# Altium PCB WhiteRHINO_0v1.PcbDoc (part 4 of 10)
Units mm, origin at the board's own origin, x right, y up, seen from the top; angles counter-clockwise.
Board outline 120.2 x 121.5 mm, 12 copper layers (L1_Top Layer, L2_GND, L3_Critical, L4_Critical, L5_GND, L6_Power, L7_Non-Critical, L8_Power, L9_Critical, L10_Critical, L11_GND, L12_Bottom Layer), stack 1.414 mm thick; 837 components, 556 nets, 3237 pads, 1790 vias.
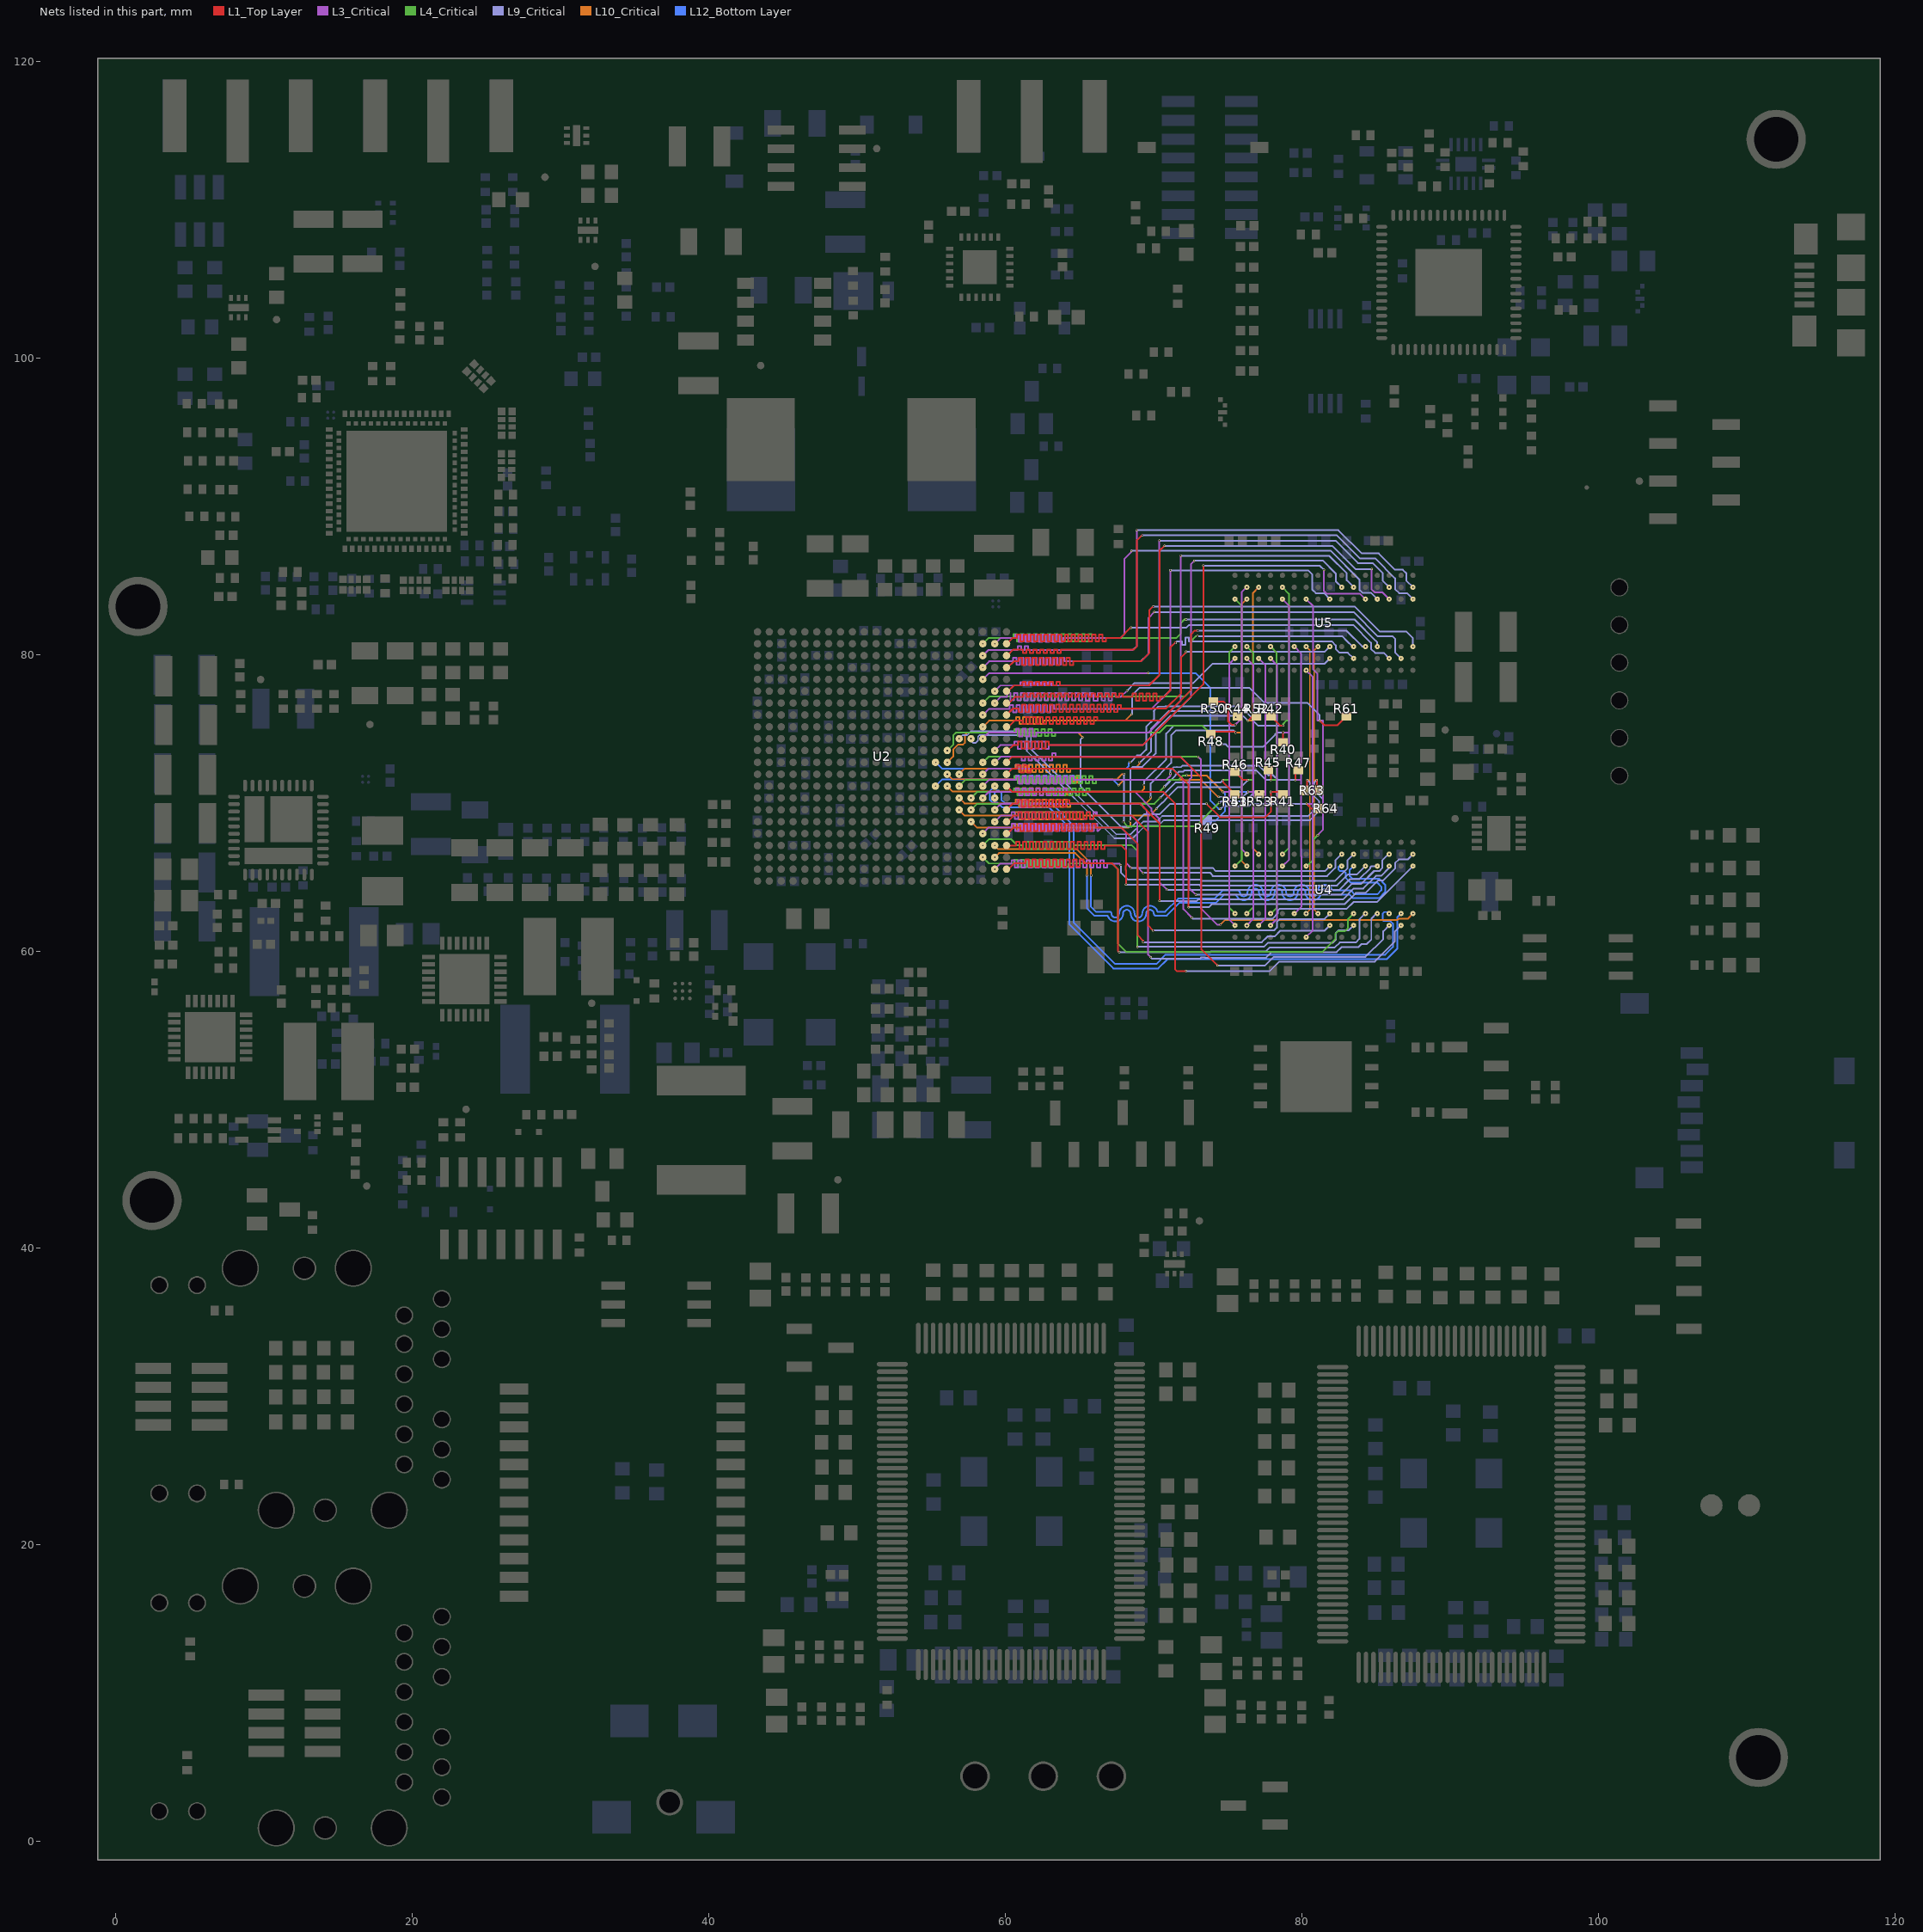
[diagram p14: the nets of this part, all layers, seen from the top]

## Via types
v1: diameter 0.15, hole 0.1, L1_Top Layer to L12_Bottom Layer, tented both sides, 705 vias
v2: diameter 0.3, hole 0.2, L1_Top Layer to L12_Bottom Layer, tented both sides, 589 vias
v3: diameter 0.3, hole 0.2, L1_Top Layer to L12_Bottom Layer, 145 vias
v4: diameter 0.55, hole 0.4, L1_Top Layer to L12_Bottom Layer, tented both sides, 89 vias
v5: diameter 0.15, hole 0.1, L1_Top Layer to L12_Bottom Layer, 73 vias
v6: diameter 0.4, hole 0.2, L1_Top Layer to L12_Bottom Layer, tented both sides, 61 vias
v7: diameter 0.66, hole 0.33, L1_Top Layer to L12_Bottom Layer, tented top, 41 vias
v8: diameter 0.3, hole 0.2, L1_Top Layer to L12_Bottom Layer, tented bottom, 27 vias
v9: diameter 0.55, hole 0.4, L1_Top Layer to L12_Bottom Layer, 20 vias
v10: diameter 0.5, hole 0.2, L1_Top Layer to L12_Bottom Layer, tented both sides, 16 vias
v11: diameter 0.5, hole 0.25, L1_Top Layer to L12_Bottom Layer, 13 vias
v12: diameter 0.4, hole 0.25, L1_Top Layer to L12_Bottom Layer, 9 vias
v13: diameter 0.5, hole 0.4, L1_Top Layer to L12_Bottom Layer, tented both sides, 1 vias
v14: diameter 0.55, hole 0.4, L1_Top Layer to L12_Bottom Layer, tented bottom, 1 vias

## Nets (pads, with @x,y where several pads share a name; then routed paths per layer and width w, separated by ;. In a path a pad name is that pad's centre, name@x,y a point inside that pad or via, vN(x,y) a via of type N, cw(c..) or ccw(c..) an arc to the next point about the centre after c; other vN are vias at no path point) (continued)
DDR3_A4: R53.1 U2.K6 U4.P8 U5.P8 | length 49.2
  L3_Critical w0.115: v1(77.104,79.725) 77.548,79.281 77.548,70.722 ; v1(77.105,61.72) 77.548,62.163 77.548,70.722 ; v1(77.125,70.725) 77.545,70.725 77.548,70.722
  L4_Critical w0.115: v1(67.965,68.7) 68.248,68.418 72.868,68.418 v1(74.45,70)
  L10_Critical w0.115: v1(56.104,71.914) 56.437,71.582 60.96,71.582 60.96,71.347 61.19,71.347 61.19,71.582 61.42,71.582 61.42,71.347 61.65,71.347 61.65,71.582 61.88,71.582 61.88,71.347 62.11,71.347 62.11,71.582 62.34,71.582 62.34,71.347 62.57,71.347 62.57,71.582 62.8,71.582 62.8,71.347 63.03,71.347 63.03,71.582 63.26,71.582 63.26,71.347 63.49,71.347 63.49,71.582 63.72,71.582 63.72,71.347 63.95,71.347 63.95,71.582 64.18,71.582 64.18,71.347 64.41,71.347 64.41,71.582 64.64,71.582 64.64,71.347 64.87,71.347 64.87,71.816 65.1,71.816 65.1,71.582 67.6,71.582 67.6,71.625 67.9,71.925 v1(68.025,71.925)
  L9_Critical w0.115: v1(67.965,68.7) 68.025,68.76 v1(68.025,71.925) ; v1(74.45,70) 74.485,70 74.563,70.078 76.198,70.078 76.845,70.725 v1(77.125,70.725)
DDR3_A5: R52.1 U2.K5 U4.P2 U5.P2 | length 49.7
  L1_Top Layer w0.115: v1(76.375,75.525) 76.675,75.825 R52.1@76.8,75.825
  L10_Critical w0.115: v1(56.904,71.914) 57.29,72.3 60.705,72.3 60.705,72.55 60.935,72.55 60.935,72.05 61.165,72.05 61.165,72.55 61.395,72.55 61.395,72.05 61.625,72.05 61.625,72.55 61.855,72.55 61.855,72.05 62.085,72.05 62.085,72.55 62.315,72.55 62.315,72.05 62.545,72.05 62.545,72.55 62.775,72.55 62.775,72.05 63.005,72.05 63.005,72.55 63.235,72.55 63.235,72.05 63.465,72.05 63.465,72.55 63.695,72.55 63.695,72.05 63.925,72.05 63.925,72.55 64.155,72.55 64.155,72.05 64.385,72.05 64.385,72.3 68.75,72.3 69.076,72.626 v1(69.076,72.75) ; v1(76.375,75.525) 76.725,75.525 ; v1(77.104,66.525) 76.725,66.904 76.725,75.525 ; v1(77.104,84.525) 76.725,84.146 76.725,75.525
  L9_Critical w0.115: v1(69.076,72.75) 69.141,72.75 69.838,73.447 69.838,74.976 71.034,76.173 75.728,76.173 v1(76.375,75.525)
DDR3_A6: R51.1 U2.J7 U4.R8 U5.R8 | length 50.1
  L3_Critical w0.115: v1(76.304,79.725) 76.736,79.293 76.736,70.725 ; v1(76.309,61.718) 76.309,61.723 76.736,62.15 76.736,70.725 ; v1(76.375,70.725) 76.736,70.725
  L10_Critical w0.115: v1(67.65,71.175) 68,71.525 72.095,71.525 72.112,71.508 72.388,71.508 72.405,71.525 73.225,71.525 74.358,70.393 v1(74.408,70.393)
  L9_Critical w0.115: v1(74.408,70.393) 76.043,70.393 v1(76.375,70.725)
  L12_Bottom Layer w0.115: v1(55.304,71.114) 55.765,71.575 60.73,71.575 60.73,71.818 60.96,71.818 60.96,71.332 61.19,71.332 61.19,71.818 61.42,71.818 61.42,71.332 61.65,71.332 61.65,71.818 61.88,71.818 61.88,71.332 62.11,71.332 62.11,71.818 62.34,71.818 62.34,71.332 62.57,71.332 62.57,71.818 62.8,71.818 62.8,71.332 63.03,71.332 63.03,71.818 63.26,71.818 63.26,71.332 63.49,71.332 63.49,71.818 63.72,71.818 63.72,71.332 63.95,71.332 63.95,71.818 64.18,71.818 64.18,71.332 64.41,71.332 64.41,71.818 64.64,71.818 64.64,71.575 67.25,71.575 v1(67.65,71.175) ; R51.1@75.5,70.575 75.65,70.725 v1(76.375,70.725)
DDR3_A7: R50.1 U2.J6 U4.R2 U5.R2 | length 51.7
  L1_Top Layer w0.115: R50.1@74.2,76.825 74.725,76.825 75.033,76.518 75.033,75.503 75.286,75.25 v1(75.525,75.25) ; U4.R2@76.304,66.525 v1(76.305,66.534)
  L3_Critical w0.115: v1(75.525,75.25) 75.8,75.525 75.957,75.525 ; v1(76.305,66.534) 75.957,66.881 75.957,75.525 ; v1(76.304,84.525) 75.957,84.178 75.957,75.525
  L10_Critical w0.115: v1(56.104,71.114) 56.468,70.75 60.723,70.75 60.723,70.991 60.953,70.991 60.953,70.519 61.183,70.519 61.183,70.991 61.413,70.991 61.413,70.519 61.643,70.519 61.643,70.991 61.873,70.991 61.873,70.519 62.103,70.519 62.103,70.991 62.333,70.991 62.333,70.519 62.563,70.519 62.563,70.991 62.793,70.991 62.793,70.519 63.023,70.519 63.023,70.991 63.253,70.991 63.253,70.519 63.483,70.519 63.483,70.991 63.713,70.991 63.713,70.519 63.943,70.519 63.943,70.991 64.173,70.991 64.173,70.519 64.403,70.519 64.403,70.75 69.2,70.75 69.378,70.928 v1(69.378,71.193)
  L9_Critical w0.115: v1(69.378,71.193) 69.378,71.438 70.865,72.925 70.865,74.665 71.393,75.193 75.468,75.193 v1(75.525,75.25)
DDR3_A8: R49.1 U2.J5 U4.T8 U5.T8 | length 52
  L1_Top Layer w0.115: U4.T8@75.504,61.725 v1(75.504,61.731)
  L3_Critical w0.115: v1(74.7,70.725) 75.123,70.725 ; v1(75.504,61.731) 75.123,62.112 75.123,70.725 ; v1(75.504,79.725) 75.485,79.725 75.123,79.363 75.123,70.725
  L4_Critical w0.115: v1(56.904,71.114) 57.34,71.55 60.615,71.55 60.615,71.797 60.845,71.797 60.845,71.303 61.075,71.303 61.075,71.797 61.305,71.797 61.305,71.303 61.535,71.303 61.535,71.797 61.765,71.797 61.765,71.303 61.995,71.303 61.995,71.797 62.225,71.797 62.225,71.303 62.455,71.303 62.455,71.797 62.685,71.797 62.685,71.303 62.915,71.303 62.915,71.797 63.145,71.797 63.145,71.303 63.375,71.303 63.375,71.797 63.605,71.797 63.605,71.303 63.835,71.303 63.835,71.797 64.065,71.797 64.065,71.303 64.295,71.303 64.295,71.797 64.525,71.797 64.525,71.303 64.755,71.303 64.755,71.797 64.985,71.797 64.985,71.303 65.215,71.303 65.215,71.797 65.445,71.797 65.445,71.303 65.675,71.303 65.675,71.797 65.905,71.797 65.905,71.303 66.135,71.303 66.135,71.55 71.725,71.55 72.015,71.84 v1(72.25,71.84)
  L10_Critical w0.115: v1(72.25,71.84) 73.585,71.84 v1(74.7,70.725)
  L12_Bottom Layer w0.115: R49.1@73.625,68.775 74.17,68.775 74.833,69.437 74.833,70.593 v1(74.7,70.725)
DDR3_A9: R48.1 U2.H5 U4.R3 U5.R3 | length 50.8
  L1_Top Layer w0.115: R48.1@73.875,74.775 75.5,74.775 v1(75.55,74.725) ; U4.R3@76.304,65.725 v1(76.304,65.728)
  L10_Critical w0.115: v1(56.904,70.314) 57.268,69.95 60.715,69.95 60.715,70.195 60.945,70.195 60.945,69.705 61.175,69.705 61.175,70.195 61.405,70.195 61.405,69.705 61.635,69.705 61.635,70.195 61.865,70.195 61.865,69.705 62.095,69.705 62.095,70.195 62.325,70.195 62.325,69.705 62.555,69.705 62.555,70.195 62.785,70.195 62.785,69.705 63.015,69.705 63.015,70.195 63.245,70.195 63.245,69.705 63.475,69.705 63.475,70.195 63.705,70.195 63.705,69.705 63.935,69.705 63.935,70.195 64.165,70.195 64.165,69.705 64.395,69.705 64.395,69.95 69.5,69.95 69.826,70.276 v1(69.826,70.375) ; v1(75.55,74.725) 75.925,74.725 75.95,74.75 ; v1(76.304,65.728) 75.95,66.082 75.95,74.75 ; v1(76.304,83.725) 75.95,83.371 75.95,74.75
  L9_Critical w0.115: v1@69.825,70.376 69.825,71.3 71.2,72.675 71.2,74.525 71.553,74.878 75.398,74.878 v1(75.55,74.725)
DDR3_A10: R47.1 U2.J3 U4.L7 U5.L7 | length 49.9
  L1_Top Layer w0.115: v1(79.575,71.525) 79.575,71.975 R47.1@79.775,72.175
  L3_Critical w0.115: v1(58.504,71.114) 58.915,71.525 60.73,71.525 60.73,71.764 60.96,71.764 60.96,71.286 61.19,71.286 61.19,71.764 61.42,71.764 61.42,71.286 61.65,71.286 61.65,71.764 61.88,71.764 61.88,71.286 62.11,71.286 62.11,71.764 62.34,71.764 62.34,71.286 62.57,71.286 62.57,71.764 62.8,71.764 62.8,71.286 63.03,71.286 63.03,71.764 63.26,71.764 63.26,71.286 63.49,71.286 63.49,71.764 63.72,71.764 63.72,71.286 63.95,71.286 63.95,71.764 64.18,71.764 64.18,71.286 64.41,71.286 64.41,71.764 64.64,71.764 64.64,71.525 70.85,71.525 71.15,71.825 v1(71.15,71.95) ; v1(79.504,80.525) 79.972,80.058 79.972,71.525 ; v1(79.506,62.506) 79.979,62.979 79.979,66.38 79.972,66.387 79.972,66.663 79.972,71.525 ; v1(79.575,71.525) 79.972,71.525
  L9_Critical w0.115: v1(71.15,71.95) 71.15,72.18 71.363,72.393 71.572,72.393 71.58,72.4 71.587,72.393 71.863,72.393 71.958,72.488 77.122,72.488 77.77,71.84 77.787,71.858 78.068,71.858 78.4,71.525 v1(79.575,71.525)
DDR3_A11: R46.1 U2.G5 U4.R7 U5.R7 | length 50.3
  L1_Top Layer w0.115: R46.1@75.5,72.075 76.05,71.525 v1(76.375,71.525)
  L4_Critical w0.115: v1(76.301,62.518) 76.731,62.948 76.731,71.525 ; v1(76.304,80.525) 76.731,80.098 76.731,71.525 ; v1(76.375,71.525) 76.731,71.525
  L10_Critical w0.115: v1(56.904,69.514) 57.293,69.125 60.69,69.125 60.69,69.37 60.92,69.37 60.92,68.88 61.15,68.88 61.15,69.37 61.38,69.37 61.38,68.88 61.61,68.88 61.61,69.37 61.84,69.37 61.84,68.88 62.07,68.88 62.07,69.37 62.3,69.37 62.3,68.88 62.53,68.88 62.53,69.37 62.76,69.37 62.76,68.88 62.99,68.88 62.99,69.37 63.22,69.37 63.22,68.88 63.45,68.88 63.45,69.37 63.68,69.37 63.68,68.88 63.91,68.88 63.91,69.37 64.14,69.37 64.14,68.88 64.37,68.88 64.37,69.37 64.6,69.37 64.6,68.88 64.83,68.88 64.83,69.37 65.06,69.37 65.06,68.88 65.29,68.88 65.29,69.125 69.749,69.125 ; 69.75,69.124 v1(70.201,69.575)
  L9_Critical w0.115: v1(70.201,69.575) 70.201,69.605 70.588,69.993 70.613,69.993 70.808,70.187 70.808,70.212 71.653,71.058 75.908,71.058 v1(76.375,71.525)
DDR3_A12: R45.1 U2.H4 U4.N7 U5.N7 | length 49.9
  L1_Top Layer w0.115: R45.1@77.75,72.2 77.925,72.025 v1(77.925,71.525)
  L4_Critical w0.115: v1(57.704,70.314) 58.115,70.725 60.608,70.725 60.608,70.966 60.838,70.966 60.838,70.484 61.068,70.484 61.068,70.966 61.298,70.966 61.298,70.484 61.528,70.484 61.528,70.966 61.758,70.966 61.758,70.484 61.988,70.484 61.988,70.725 62.7,70.725 62.7,70.966 62.93,70.966 62.93,70.484 63.16,70.484 63.16,70.966 63.39,70.966 63.39,70.484 63.62,70.484 63.62,70.966 63.85,70.966 63.85,70.484 64.08,70.484 64.08,70.966 64.31,70.966 64.31,70.484 64.54,70.484 64.54,70.966 64.77,70.966 64.77,70.484 65,70.484 65,70.966 65.23,70.966 65.23,70.484 65.46,70.484 65.46,70.966 65.69,70.966 65.69,70.725 70.4,70.725 v1@70.738,71.063 ; v1(77.904,80.525) 78.322,80.107 78.322,71.517 ; v1(77.916,62.521) 78.322,62.927 78.322,71.517 ; v1(77.925,71.525) 78.314,71.525 78.322,71.517
  L9_Critical w0.115: v1(70.726,71.075) 70.745,71.075 71.483,71.812 71.483,71.858 71.703,72.078 71.993,72.078 72.088,72.173 76.953,72.173 77.6,71.525 v1(77.925,71.525)
DDR3_A13: R44.1 U2.F4 U4.T3 U5.T3 | length 48.4
  L1_Top Layer w0.115: U4.T3@75.504,65.725 v1(75.518,65.725)
  L4_Critical w0.115: v1(75.504,83.725) 75.969,83.26 75.969,75.525 ; v1(75.518,65.725) 75.969,66.176 75.969,75.525 ; v1(75.55,75.75) 75.76,75.541 75.76,75.525 75.969,75.525
  L10_Critical w0.115: v1(57.704,68.714) 58.093,68.325 60.59,68.325 60.59,68.565 60.82,68.565 60.82,68.085 61.05,68.085 61.05,68.555 61.28,68.555 61.28,68.085 61.51,68.085 61.51,68.555 61.74,68.555 61.74,68.085 61.97,68.085 61.97,68.555 62.2,68.555 62.2,68.085 62.43,68.085 62.43,68.555 62.66,68.555 62.66,68.085 62.89,68.085 62.89,68.555 63.12,68.555 63.12,68.325 68.325,68.325 68.45,68.45 v1(68.45,68.75)
  L9_Critical w0.115: v1(68.45,68.75) 68.45,72.25 68.617,72.418 69.254,72.418 70.153,73.316 70.153,74.845 71.165,75.858 75.443,75.858 v1(75.55,75.75)
DDR3_A14: R43.1 U2.G4 U4.T7 U5.T7 | length 37.8
  L1_Top Layer w0.115: v1(74.7,71.525) 74.7,71.375 R43.1@75.5,70.575 ; U4.T7@75.504,62.525 v1(75.504,62.527)
  L4_Critical w0.115: v1(57.704,69.514) 58.115,69.925 70.075,69.925 v1(70.475,70.325) ; v1(74.7,71.525) 75.122,71.525 ; v1(75.504,62.527) 75.122,62.909 75.122,71.525 ; v1(75.504,80.525) 75.122,80.143 75.122,71.525
  L9_Critical w0.115: v1(70.475,70.325) 71.523,71.373 74.548,71.373 v1(74.7,71.525)
DDR3_BA0: R42.1 U2.L7 U4.M2 U5.M2 | length 50.3
  L1_Top Layer w0.115: U2.L7@55.304,72.714 v1(55.336,72.714) ; R42.1@77.925,75.825 78.55,75.2 v1(78.75,75.2)
  L4_Critical w0.115: v1(78.704,84.525) 79.145,84.084 79.145,75.525 ; v1@78.725,66.525 79.145,66.945 79.145,75.525 ; v1(78.75,75.2) 78.75,75.305 78.97,75.525 79.145,75.525
  L9_Critical w0.115: v1(68.426,72.75) 68.5,72.75 68.885,73.135 68.885,73.193 69.138,73.193 69.523,73.577 69.523,75.106 70.048,75.632 70.048,76.168 70.03,76.187 70.323,76.48 70.805,76.48 70.813,76.488 75.883,76.488 76.708,75.663 76.708,75.543 77.05,75.2 v1(78.75,75.2)
  L12_Bottom Layer w0.115: v1(55.336,72.714) 55.75,72.3 60.705,72.3 60.705,72.54 60.935,72.54 60.935,72.3 61.165,72.3 61.165,72.54 61.395,72.54 61.395,72.3 61.625,72.3 61.625,72.54 61.855,72.54 61.855,72.3 62.085,72.3 62.085,72.54 62.315,72.54 62.315,72.3 62.545,72.3 62.545,72.54 62.775,72.54 62.775,72.3 63.005,72.3 63.005,72.54 63.235,72.54 63.235,72.3 68.175,72.3 68.351,72.476 68.351,72.675 v1(68.426,72.75)
  other v1: 78.704,66.525
DDR3_BA1: R41.1 U2.L6 U4.N8 U5.N8 | length 50.1
  L1_Top Layer w0.115: v1(73.583,69.927) 74.485,69.025 77.564,69.025 77.925,69.386 v1(77.925,70.725) 78.575,70.725 R41.1@78.725,70.575 ; U4.N8@77.904,61.725 v1(77.904,61.734)
  L3_Critical w0.115: v1(77.904,61.734) 78.338,62.168 78.338,70.725 ; v1(77.904,79.725) 78.333,79.296 78.333,76.991 78.338,76.986 78.338,70.725 ; v1(77.925,70.725) 78.338,70.725
  L10_Critical w0.115: v1(56.104,72.714) 56.5,73.11 56.5,73.58 56.845,73.925 57.175,73.925 57.3,74.05 57.3,74.575 57.45,74.725 64.925,74.725 65.227,74.423 v1(65.227,74.393)
  L9_Critical w0.115: v1(65.227,74.393) 65.1,74.266 65.1,71.095 67.827,68.368 68.538,68.368 69.395,69.225 70.431,69.225 71.133,69.927 v1(73.583,69.927)
DDR3_BA2: R40.1 U2.M6 U4.M3 U5.M3 | length 49.8
  L1_Top Layer w0.115: R40.1@78.75,74.075 v1(78.75,74.725)
  L3_Critical w0.115: v1(78.704,83.725) 79.154,83.275 79.154,74.725 ; v1@78.715,65.715 79.154,66.154 79.154,74.725 ; v1(78.75,74.725) 79.154,74.725
  L4_Critical w0.115: v1(56.104,73.514) 56.5,73.91 56.5,74.525 56.7,74.725 60.615,74.725 60.615,74.961 60.845,74.961 60.845,74.489 61.075,74.489 61.075,74.961 61.305,74.961 61.305,74.489 61.535,74.489 61.535,74.961 61.765,74.961 61.765,74.489 61.995,74.489 61.995,74.961 62.225,74.961 62.225,74.489 62.455,74.489 62.455,74.961 62.685,74.961 62.685,74.489 62.915,74.489 62.915,74.961 63.145,74.961 63.145,74.489 63.375,74.489 63.375,74.725 70.4,74.725 70.865,75.19 73.311,75.19 v1(74.601,73.9)
  L9_Critical w0.115: v1(74.601,73.9) 74.634,73.933 74.889,73.933 75.059,73.763 77.408,73.763 78.233,74.587 78.233,74.625 78.333,74.725 v1(78.75,74.725)
  other v1: 78.704,65.725
DDR3_CAS: R61.1 U2.P3 U4.K3 U5.K3 | length 50.8
  L1_Top Layer w0.115: v1(81.225,75.525) 81.525,75.225 82.425,75.225 R61.1@83.025,75.825
  L3_Critical w0.115: v1(80.304,83.725) 80.772,83.258 80.772,79.587 80.776,79.583 80.776,78.981 81.073,78.685 81.073,75.525 v1(81.225,75.525) 81.45,75.525 81.45,68.181 81.084,67.815 81.077,67.808 v1(81.09,67.808)
  L4_Critical w0.115: v1(80.32,65.724) 80.36,65.724 80.772,66.136 80.772,67.489 v1(81.09,67.808)
  L10_Critical w0.115: v1(58.504,75.114) 58.514,75.114 58.925,75.525 60.755,75.525 60.755,75.765 60.985,75.765 60.985,75.295 61.215,75.295 61.215,75.765 61.445,75.765 61.445,75.295 61.675,75.295 61.675,75.765 61.905,75.765 61.905,75.295 62.135,75.295 62.135,75.765 62.365,75.765 62.365,75.295 62.595,75.295 62.595,75.525 68.101,75.525 v1(68.526,75.95)
  L9_Critical w0.115: v1(68.526,75.95) 68.56,75.984 68.56,77.231 69.077,77.748 76.478,77.748 77.513,76.713 80.408,76.713 81.2,75.92 81.2,75.525 v1(81.225,75.525)
DDR3_CKE0: R64.1 U2.V3 U4.K9 U5.K9 | length 50.1
  L1_Top Layer w0.115: U4.K9@80.299,60.936 v1(80.303,60.936) ; v1(80.325,69.925) 80.65,69.6 R64.1@81.125,69.6
  L3_Critical w0.115: v1(58.504,78.314) 58.925,78.735 v1(69.65,78.735) ; v1(80.303,60.936) 80.758,61.391 80.758,69.931 ; v1(80.304,78.925) 80.758,78.472 80.758,69.931 ; v1(80.325,69.925) 80.751,69.925 80.758,69.931
  L9_Critical w0.115: v1(74.5,69.575) 74.538,69.575 74.725,69.763 76.445,69.763 76.608,69.925 v1(80.325,69.925)
  L12_Bottom Layer w0.115: v1(69.65,78.735) 72.84,78.735 73.85,77.725 73.85,70.13 74.405,69.575 v1(74.5,69.575)
DDR3_CLK0_N: R63.2 U2.N5 U4.K7 U5.K7 | length 49.9
  L1_Top Layer w0.115: R63.2@80.2,70.825 80.375,71 v1(80.375,71.525)
  L10_Critical w0.1: v1(80.304,62.525) 80.563,62.784 80.563,71.525 ; v1(80.304,80.525) 80.563,80.267 80.563,71.525 ; v1(80.375,71.525) 80.563,71.525
  L9_Critical w0.1: v1(56.904,74.314) 57.14,74.55 57.45,74.55 57.725,74.825 57.725,74.833 61.417,74.833 61.75,74.5 61.75,73.6 62.175,73.175 62.2,73.175 67.5,67.875 68.475,67.875 69.238,68.638 69.32,68.72 70.22,68.72 70.6,69.1 80.45,69.1 81.175,69.825 81.175,70.1 80.559,70.716 80.559,71.342 v1(80.375,71.525)
DDR3_CLK0_P: R63.1 U2.N4 U4.J7 U5.J7 | length 49.9
  L1_Top Layer w0.115: v1(81.025,71.525) 81.025,71 R63.1@81.2,70.825
  L10_Critical w0.1: v1(81.025,71.525) 80.846,71.525 ; v1(81.104,62.525) 80.846,62.783 80.846,71.525 ; v1(81.104,80.525) 80.846,80.267 80.846,71.525
  L9_Critical w0.1: v1(57.704,74.314) 57.704,74.184 57.863,74.025 58,74.025 58.175,74.2 58.175,74.45 58.275,74.55 61.3,74.55 61.467,74.383 61.467,73.483 62.058,72.892 62.083,72.892 67.383,67.592 68.592,67.592 68.675,67.675 69.438,68.437 70.337,68.437 70.717,68.817 80.567,68.817 81.458,69.708 81.458,70.217 80.842,70.834 80.842,71.342 v1(81.025,71.525)
DDR3_DM0: U2.B1 U4.E7 | length 40
  L1_Top Layer w0.115: U2.B1@60.104,65.514 60.239,65.514 60.65,65.925 61.39,65.925 61.39,66.163 61.62,66.163 61.62,65.687 61.85,65.687 61.85,66.163 62.08,66.163 62.08,65.687 62.31,65.687 62.31,66.163 62.54,66.163 62.54,65.687 62.77,65.687 62.77,66.163 63,66.163 63,65.687 63.23,65.687 63.23,66.163 63.46,66.163 63.46,65.687 63.69,65.687 63.69,66.163 63.92,66.163 63.92,65.687 64.15,65.687 64.15,66.163 64.38,66.163 64.38,65.687 64.61,65.687 64.61,66.163 64.84,66.163 64.84,65.687 65.07,65.687 65.07,66.163 65.3,66.163 65.3,65.925 67.2,65.925 67.625,65.5 67.625,60 v1(67.7,59.925)
  L9_Critical w0.115: v1(67.7,59.925) 73.838,59.925 73.875,59.963 77.578,59.963 77.851,60.235 82.235,60.235 82.577,60.577 83.652,60.577 83.9,60.825 83.9,62.121 v1(84.304,62.525)
DDR3_DM1: U2.H3 U4.D3 | length 40
  L3_Critical w0.115: v1(58.504,70.314) 58.915,70.725 60.723,70.725 60.723,70.962 60.953,70.962 60.953,70.484 61.183,70.484 61.183,70.962 61.413,70.962 61.413,70.484 61.643,70.484 61.643,70.962 61.873,70.962 61.873,70.484 62.103,70.484 62.103,70.962 62.333,70.962 62.333,70.484 62.563,70.484 62.563,70.962 62.793,70.962 62.793,70.484 63.023,70.484 63.023,70.962 63.253,70.962 63.253,70.484 63.483,70.484 63.483,70.962 63.713,70.962 63.713,70.484 63.943,70.484 63.943,70.962 64.173,70.962 64.173,70.725 68.775,70.725 68.775,70.716 69.868,69.622 69.868,69.437 70.425,68.881 70.425,64.6 70.45,64.6 v1(70.928,64.123)
  L9_Critical w0.115: v1(70.928,64.123) 73.003,64.123 73.02,64.105 82.521,64.105 83.266,64.85 83.899,64.85 84.637,65.587 84.637,65.65 84.712,65.725 v1(85.104,65.725)